# KiCad board Bus_Card.kicad_pcb (continued)
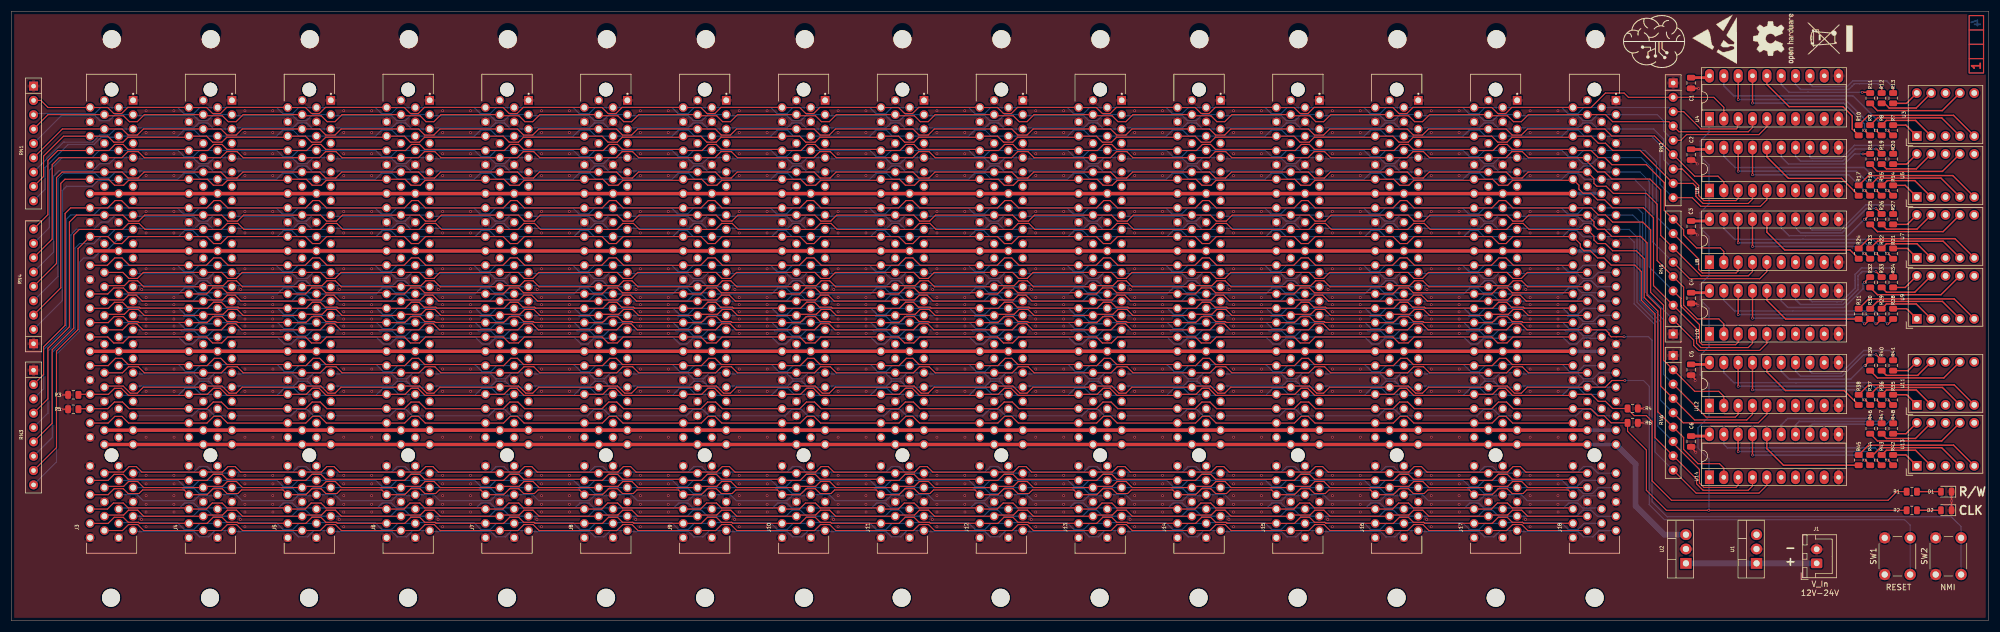
[diagram p0: board, top side]
## Routing (per net, layer and track width the routed paths; a pad name or vN(x,y) marks a point on that pad's centre or on a via; arc(x,y) is an arc through that point) (continued)
/ROM_7: length 275.7
  Top w0.2: J18.B61 268.43,15.97 267.37,17.03 265.75,17.03 264.68,15.97 J17.B61 250.93,15.97 249.86,17.03 248.25,17.03 247.18,15.97 J16.B61 233.43,15.97 232.36,17.03 230.75,17.03 229.68,15.97 J15.B61 215.93,15.97 214.86,17.03 213.25,17.03 212.18,15.97 J14.B61 198.43,15.97 197.36,17.03 195.75,17.03 194.68,15.97 J13.B61 180.93,15.97 179.86,17.03 178.25,17.03 177.18,15.97 J12.B61 163.43,15.97 162.36,17.03 160.75,17.03 159.68,15.97 J11.B61 145.93,15.97 144.86,17.03 143.25,17.03 142.18,15.97 J10.B61 128.43,15.97 127.36,17.03 125.75,17.03 124.68,15.97 J9.B61 110.93,15.97 109.86,17.03 108.25,17.03 107.18,15.97 J8.B61 93.43,15.97 92.36,17.03 90.75,17.03 89.68,15.97 J7.B61 75.93,15.97 74.87,17.03 73.25,17.03 72.18,15.97 J6.B61 58.43,15.97 57.37,17.03 55.75,17.03 54.68,15.97 J5.B61 40.93,15.97 39.87,17.03 38.25,17.03 37.18,15.97 J4.B61 23.43,15.97 22.37,17.03 20.75,17.03 19.68,15.97 J3.B61
/SYNC/VPA: length 278
  Bottom w0.2: J3.A38 19.2,45.36 29.6,45.36 30.85,44.11 32.33,44.11 33.4,45.18 J4.A38 36.7,45.36 47.1,45.36 48.35,44.11 49.83,44.11 50.9,45.18 J5.A38 54.2,45.36 64.6,45.36 65.84,44.11 67.33,44.11 68.4,45.18 J6.A38 71.7,45.36 82.1,45.36 83.34,44.11 84.83,44.11 85.9,45.18 J7.A38 89.2,45.36 99.6,45.36 100.84,44.11 102.33,44.11 103.4,45.18 J8.A38 106.7,45.36 117.1,45.36 118.34,44.11 119.83,44.11 120.9,45.18 J9.A38 124.2,45.36 134.6,45.36 135.84,44.11 137.33,44.11 138.4,45.18 J10.A38 141.7,45.36 152.1,45.36 153.34,44.11 154.83,44.11 155.9,45.18 J11.A38 159.2,45.36 169.6,45.36 170.84,44.11 172.33,44.11 173.4,45.18 J12.A38 176.7,45.36 187.1,45.36 188.34,44.11 189.83,44.11 190.9,45.18 J13.A38 194.2,45.36 204.6,45.36 205.84,44.11 207.33,44.11 208.4,45.18 J14.A38 211.7,45.36 222.1,45.36 223.34,44.11 224.83,44.11 225.9,45.18 J15.A38 229.2,45.36 239.6,45.36 240.84,44.11 242.33,44.11 243.4,45.18 J16.A38 246.7,45.36 257.1,45.36 258.35,44.11 259.83,44.11 260.9,45.18 J17.A38 264.2,45.36 274.6,45.36 275.85,44.11 277.33,44.11 278.4,45.18 J18.A38
/~{BE}: length 277.9
  Bottom w0.2: J3.A42 19.19,39.93 29.54,39.93 30.78,41.16 32.52,41.16 33.59,40.1 J4.A42 36.69,39.93 47.04,39.93 48.28,41.16 50.02,41.16 51.09,40.1 J5.A42 54.19,39.93 64.54,39.93 65.78,41.16 67.53,41.16 68.59,40.1 J6.A42 71.69,39.93 82.04,39.93 83.28,41.16 85.03,41.16 86.09,40.1 J7.A42 89.19,39.93 99.54,39.93 100.78,41.16 102.53,41.16 103.59,40.1 J8.A42 106.69,39.93 117.04,39.93 118.28,41.16 120.03,41.16 121.09,40.1 J9.A42 124.19,39.93 134.54,39.93 135.78,41.16 137.53,41.16 138.59,40.1 J10.A42 141.69,39.93 152.04,39.93 153.28,41.16 155.03,41.16 156.09,40.1 J11.A42 159.19,39.93 169.54,39.93 170.78,41.16 172.53,41.16 173.59,40.1 J12.A42 176.69,39.93 187.04,39.93 188.28,41.16 190.03,41.16 191.09,40.1 J13.A42 194.19,39.93 204.54,39.93 205.78,41.16 207.53,41.16 208.59,40.1 J14.A42 211.69,39.93 222.04,39.93 223.28,41.16 225.03,41.16 226.09,40.1 J15.A42 229.19,39.93 239.54,39.93 240.78,41.16 242.53,41.16 243.59,40.1 J16.A42 246.69,39.93 257.04,39.93 258.28,41.16 260.03,41.16 261.09,40.1 J17.A42 264.19,39.93 274.54,39.93 275.78,41.16 277.53,41.16 278.59,40.1 J18.A42
/~{H_RAM}: length 275.7
  Top w0.2: J3.B25 19.75,61.69 20.81,60.62 22.3,60.62 23.37,61.69 J4.B25 37.25,61.69 38.31,60.62 39.8,60.62 40.87,61.69 J5.B25 54.75,61.69 55.81,60.62 57.3,60.62 58.37,61.69 J6.B25 72.25,61.69 73.31,60.62 74.8,60.62 75.87,61.69 J7.B25 89.75,61.69 90.81,60.62 92.3,60.62 93.37,61.69 J8.B25 107.25,61.69 108.31,60.62 109.8,60.62 110.87,61.69 J9.B25 124.75,61.69 125.81,60.62 127.3,60.62 128.37,61.69 J10.B25 142.25,61.69 143.31,60.62 144.8,60.62 145.87,61.69 J11.B25 159.75,61.69 160.81,60.62 162.3,60.62 163.37,61.69 J12.B25 177.25,61.69 178.31,60.62 179.8,60.62 180.87,61.69 J13.B25 194.75,61.69 195.81,60.62 197.3,60.62 198.37,61.69 J14.B25 212.25,61.69 213.31,60.62 214.8,60.62 215.87,61.69 J15.B25 229.75,61.69 230.81,60.62 232.3,60.62 233.37,61.69 J16.B25 247.25,61.69 248.31,60.62 249.8,60.62 250.87,61.69 J17.B25 264.75,61.69 265.81,60.62 267.3,60.62 268.37,61.69 J18.B25
/~{IO}: length 275.7
  Bottom w0.2: J18.A24 278.27,62.96 277.21,61.89 275.46,61.89 274.4,62.96 J17.A24 260.77,62.96 259.71,61.89 257.96,61.89 256.9,62.96 J16.A24 243.27,62.96 242.21,61.89 240.46,61.89 239.4,62.96 J15.A24 225.77,62.96 224.71,61.89 222.96,61.89 221.9,62.96 J14.A24 208.27,62.96 207.21,61.89 205.46,61.89 204.4,62.96 J13.A24 190.77,62.96 189.71,61.89 187.96,61.89 186.9,62.96 J12.A24 173.27,62.96 172.21,61.89 170.46,61.89 169.4,62.96 J11.A24 155.77,62.96 154.71,61.89 152.96,61.89 151.9,62.96 J10.A24 138.27,62.96 137.21,61.89 135.46,61.89 134.4,62.96 J9.A24 120.77,62.96 119.71,61.89 117.96,61.89 116.9,62.96 J8.A24 103.27,62.96 102.21,61.89 100.46,61.89 99.4,62.96 J7.A24 85.77,62.96 84.71,61.89 82.96,61.89 81.9,62.96 J6.A24 68.27,62.96 67.21,61.89 65.46,61.89 64.4,62.96 J5.A24 50.77,62.96 49.71,61.89 47.96,61.89 46.9,62.96 J4.A24 33.27,62.96 32.21,61.89 30.46,61.89 29.4,62.96 J3.A24
/~{IRQ_0.0}: length 275.7
  Bottom w0.2: J18.A27 280.75,59.15 279.68,60.21 278.32,60.21 277.46,59.35 266.76,59.35 J17.A27 263.25,59.15 262.18,60.21 260.82,60.21 259.96,59.35 249.26,59.35 J16.A27 245.75,59.15 244.68,60.21 243.32,60.21 242.46,59.35 231.76,59.35 J15.A27 228.25,59.15 227.18,60.21 225.82,60.21 224.96,59.35 214.26,59.35 J14.A27 210.75,59.15 209.68,60.21 208.32,60.21 207.46,59.35 196.76,59.35 J13.A27 193.25,59.15 192.18,60.21 190.82,60.21 189.96,59.35 179.26,59.35 J12.A27 175.75,59.15 174.68,60.21 173.32,60.21 172.46,59.35 161.76,59.35 J11.A27 158.25,59.15 157.18,60.21 155.82,60.21 154.96,59.35 144.26,59.35 J10.A27 140.75,59.15 139.68,60.21 138.32,60.21 137.46,59.35 126.76,59.35 J9.A27 123.25,59.15 122.18,60.21 120.82,60.21 119.96,59.35 109.26,59.35 J8.A27 105.75,59.15 104.68,60.21 103.32,60.21 102.46,59.35 91.76,59.35 J7.A27 88.25,59.15 87.18,60.21 85.82,60.21 84.96,59.35 74.26,59.35 J6.A27 70.75,59.15 69.68,60.21 68.32,60.21 67.46,59.35 56.76,59.35 J5.A27 53.25,59.15 52.18,60.21 50.82,60.21 49.96,59.35 39.26,59.35 J4.A27 35.75,59.15 34.68,60.21 33.32,60.21 32.46,59.35 21.76,59.35 J3.A27
/~{IRQ_0.1}: length 275.7
  Bottom w0.2: J3.A28 29.59,57.88 30.65,58.94 32.14,58.94 33,58.08 36.31,58.08 J4.A28 47.09,57.88 48.15,58.94 49.64,58.94 50.5,58.08 53.81,58.08 J5.A28 64.59,57.88 65.65,58.94 67.14,58.94 68,58.08 71.31,58.08 J6.A28 82.09,57.88 83.15,58.94 84.64,58.94 85.5,58.08 88.81,58.08 J7.A28 99.59,57.88 100.65,58.94 102.14,58.94 103,58.08 106.31,58.08 J8.A28 117.09,57.88 118.15,58.94 119.64,58.94 120.5,58.08 123.81,58.08 J9.A28 134.59,57.88 135.65,58.94 137.14,58.94 138,58.08 141.31,58.08 J10.A28 152.09,57.88 153.15,58.94 154.64,58.94 155.5,58.08 158.81,58.08 J11.A28 169.59,57.88 170.65,58.94 172.14,58.94 173,58.08 176.31,58.08 J12.A28 187.09,57.88 188.15,58.94 189.64,58.94 190.5,58.08 193.81,58.08 J13.A28 204.59,57.88 205.65,58.94 207.14,58.94 208,58.08 211.31,58.08 J14.A28 222.09,57.88 223.15,58.94 224.64,58.94 225.5,58.08 228.81,58.08 J15.A28 239.59,57.88 240.65,58.94 242.14,58.94 243,58.08 246.31,58.08 J16.A28 257.09,57.88 258.15,58.94 259.64,58.94 260.5,58.08 263.81,58.08 J17.A28 274.59,57.88 275.65,58.94 277.14,58.94 278,58.08 281.31,58.08 J18.A28
/~{IRQ_0.2}: length 275.7
  Bottom w0.2: J3.A29 32.13,56.61 33.19,57.67 34.81,57.67 35.88,56.61 J4.A29 49.63,56.61 50.69,57.67 52.31,57.67 53.38,56.61 J5.A29 67.13,56.61 68.19,57.67 69.81,57.67 70.88,56.61 J6.A29 84.63,56.61 85.69,57.67 87.31,57.67 88.38,56.61 J7.A29 102.13,56.61 103.19,57.67 104.81,57.67 105.88,56.61 J8.A29 119.63,56.61 120.69,57.67 122.31,57.67 123.38,56.61 J9.A29 137.13,56.61 138.19,57.67 139.81,57.67 140.88,56.61 J10.A29 154.63,56.61 155.69,57.67 157.31,57.67 158.38,56.61 J11.A29 172.13,56.61 173.19,57.67 174.81,57.67 175.88,56.61 J12.A29 189.63,56.61 190.69,57.67 192.31,57.67 193.38,56.61 J13.A29 207.13,56.61 208.19,57.67 209.81,57.67 210.88,56.61 J14.A29 224.63,56.61 225.69,57.67 227.31,57.67 228.38,56.61 J15.A29 242.13,56.61 243.19,57.67 244.81,57.67 245.88,56.61 J16.A29 259.63,56.61 260.69,57.67 262.31,57.67 263.38,56.61 J17.A29 277.13,56.61 278.19,57.67 279.81,57.67 280.88,56.61 J18.A29
/~{IRQ_0.3}: length 275.7
  Bottom w0.2: J18.A30 278.4,55.34 277.33,54.27 275.72,54.27 274.65,55.34 J17.A30 260.9,55.34 259.83,54.27 258.22,54.27 257.15,55.34 J16.A30 243.4,55.34 242.33,54.27 240.72,54.27 239.65,55.34 J15.A30 225.9,55.34 224.83,54.27 223.22,54.27 222.15,55.34 J14.A30 208.4,55.34 207.33,54.27 205.72,54.27 204.65,55.34 J13.A30 190.9,55.34 189.83,54.27 188.22,54.27 187.15,55.34 J12.A30 173.4,55.34 172.33,54.27 170.72,54.27 169.65,55.34 J11.A30 155.9,55.34 154.83,54.27 153.22,54.27 152.15,55.34 J10.A30 138.4,55.34 137.33,54.27 135.72,54.27 134.65,55.34 J9.A30 120.9,55.34 119.83,54.27 118.22,54.27 117.15,55.34 J8.A30 103.4,55.34 102.33,54.27 100.72,54.27 99.65,55.34 J7.A30 85.9,55.34 84.83,54.27 83.22,54.27 82.15,55.34 J6.A30 68.4,55.34 67.33,54.27 65.72,54.27 64.65,55.34 J5.A30 50.9,55.34 49.83,54.27 48.22,54.27 47.15,55.34 J4.A30 33.4,55.34 32.33,54.27 30.72,54.27 29.65,55.34 J3.A30
/~{IRQ_0.4}: length 275.7
  Bottom w0.2: J3.A31 21.58,54.05 30.38,54.05 30.55,53.87 32.39,53.87 33.26,53 35,53 36.07,54.07 J4.A31 39.08,54.05 47.88,54.05 48.05,53.87 49.89,53.87 50.76,53 52.5,53 53.57,54.07 J5.A31 56.58,54.05 65.38,54.05 65.55,53.87 67.39,53.87 68.26,53 70,53 71.07,54.07 J6.A31 74.08,54.05 82.88,54.05 83.05,53.87 84.89,53.87 85.76,53 87.5,53 88.57,54.07 J7.A31 91.58,54.05 100.38,54.05 100.55,53.87 102.39,53.87 103.26,53 105,53 106.07,54.07 J8.A31 109.08,54.05 117.88,54.05 118.05,53.87 119.89,53.87 120.76,53 122.5,53 123.57,54.07 J9.A31 126.58,54.05 135.38,54.05 135.55,53.87 137.39,53.87 138.26,53 140,53 141.07,54.07 J10.A31 144.08,54.05 152.88,54.05 153.05,53.87 154.89,53.87 155.76,53 157.5,53 158.57,54.07 J11.A31 161.58,54.05 170.38,54.05 170.55,53.87 172.39,53.87 173.26,53 175,53 176.07,54.07 J12.A31 179.08,54.05 187.88,54.05 188.05,53.87 189.89,53.87 190.76,53 192.5,53 193.57,54.07 J13.A31 196.58,54.05 205.38,54.05 205.55,53.87 207.39,53.87 208.26,53 210,53 211.07,54.07 J14.A31 214.08,54.05 222.88,54.05 223.05,53.87 224.89,53.87 225.76,53 227.5,53 228.57,54.07 J15.A31 231.58,54.05 240.38,54.05 240.55,53.87 242.39,53.87 243.26,53 245,53 246.07,54.07 J16.A31 249.08,54.05 257.88,54.05 258.05,53.87 259.89,53.87 260.76,53 262.5,53 263.57,54.07 J17.A31 266.58,54.05 275.38,54.05 275.55,53.87 277.39,53.87 278.26,53 280,53 281.07,54.07 J18.A31
/~{IRQ_0.5}: length 275.7
  Bottom w0.2: J18.A32 281.31,52.59 278.19,52.59 277.33,51.73 275.72,51.73 274.65,52.8 J17.A32 263.81,52.59 260.69,52.59 259.83,51.73 258.22,51.73 257.15,52.8 J16.A32 246.31,52.59 243.19,52.59 242.33,51.73 240.72,51.73 239.65,52.8 J15.A32 228.81,52.59 225.69,52.59 224.83,51.73 223.22,51.73 222.15,52.8 J14.A32 211.31,52.59 208.19,52.59 207.33,51.73 205.72,51.73 204.65,52.8 J13.A32 193.81,52.59 190.69,52.59 189.83,51.73 188.22,51.73 187.15,52.8 J12.A32 176.31,52.59 173.19,52.59 172.33,51.73 170.72,51.73 169.65,52.8 J11.A32 158.81,52.59 155.69,52.59 154.83,51.73 153.22,51.73 152.15,52.8 J10.A32 141.31,52.59 138.19,52.59 137.33,51.73 135.72,51.73 134.65,52.8 J9.A32 123.81,52.59 120.69,52.59 119.83,51.73 118.22,51.73 117.15,52.8 J8.A32 106.31,52.59 103.19,52.59 102.33,51.73 100.72,51.73 99.65,52.8 J7.A32 88.81,52.59 85.69,52.59 84.83,51.73 83.22,51.73 82.15,52.8 J6.A32 71.31,52.59 68.19,52.59 67.33,51.73 65.72,51.73 64.65,52.8 J5.A32 53.81,52.59 50.69,52.59 49.83,51.73 48.22,51.73 47.15,52.8 J4.A32 36.31,52.59 33.19,52.59 32.33,51.73 30.72,51.73 29.65,52.8 J3.A32
/~{IRQ_0.6}: length 275.7
  Bottom w0.2: J18.A33 280.88,51.53 279.81,50.46 278.26,50.46 277.4,51.32 275.16,51.32 274.97,51.51 266.58,51.51 J17.A33 263.38,51.53 262.31,50.46 260.76,50.46 259.9,51.32 257.66,51.32 257.47,51.51 249.08,51.51 J16.A33 245.88,51.53 244.81,50.46 243.26,50.46 242.4,51.32 240.16,51.32 239.97,51.51 231.58,51.51 J15.A33 228.38,51.53 227.31,50.46 225.76,50.46 224.9,51.32 222.66,51.32 222.47,51.51 214.08,51.51 J14.A33 210.88,51.53 209.81,50.46 208.26,50.46 207.4,51.32 205.16,51.32 204.97,51.51 196.58,51.51 J13.A33 193.38,51.53 192.31,50.46 190.76,50.46 189.9,51.32 187.66,51.32 187.47,51.51 179.08,51.51 J12.A33 175.88,51.53 174.81,50.46 173.26,50.46 172.4,51.32 170.16,51.32 169.97,51.51 161.58,51.51 J11.A33 158.38,51.53 157.31,50.46 155.76,50.46 154.9,51.32 152.66,51.32 152.47,51.51 144.08,51.51 J10.A33 140.88,51.53 139.81,50.46 138.26,50.46 137.4,51.32 135.16,51.32 134.97,51.51 126.58,51.51 J9.A33 123.38,51.53 122.31,50.46 120.76,50.46 119.9,51.32 117.66,51.32 117.47,51.51 109.08,51.51 J8.A33 105.88,51.53 104.81,50.46 103.26,50.46 102.4,51.32 100.16,51.32 99.97,51.51 91.58,51.51 J7.A33 88.38,51.53 87.31,50.46 85.76,50.46 84.9,51.32 82.66,51.32 82.47,51.51 74.08,51.51 J6.A33 70.88,51.53 69.81,50.46 68.26,50.46 67.4,51.32 65.16,51.32 64.97,51.51 56.58,51.51 J5.A33 53.38,51.53 52.31,50.46 50.76,50.46 49.9,51.32 47.66,51.32 47.47,51.51 39.08,51.51 J4.A33 35.88,51.53 34.81,50.46 33.26,50.46 32.4,51.32 30.16,51.32 29.97,51.51 21.58,51.51 J3.A33
/~{IRQ_0.7}: length 278.1
  Bottom w0.2: J18.A34 281.3,50.04 279.44,50.04 279.42,50.05 278.13,50.05 277.1,49.02 275.83,49.02 274.59,50.26 J17.A34 263.8,50.04 261.94,50.04 261.92,50.05 260.63,50.05 259.6,49.02 258.33,49.02 257.09,50.26 J16.A34 246.3,50.04 244.44,50.04 244.42,50.05 243.13,50.05 242.1,49.02 240.83,49.02 239.59,50.26 J15.A34 228.8,50.04 226.94,50.04 226.92,50.05 225.63,50.05 224.6,49.02 223.33,49.02 222.09,50.26 J14.A34 211.3,50.04 209.44,50.04 209.42,50.05 208.13,50.05 207.1,49.02 205.83,49.02 204.59,50.26 J13.A34 193.8,50.04 191.94,50.04 191.92,50.05 190.63,50.05 189.6,49.02 188.33,49.02 187.09,50.26 J12.A34 176.3,50.04 174.44,50.04 174.42,50.05 173.13,50.05 172.1,49.02 170.83,49.02 169.59,50.26 J11.A34 158.8,50.04 156.94,50.04 156.92,50.05 155.63,50.05 154.6,49.02 153.33,49.02 152.09,50.26 J10.A34 141.3,50.04 139.44,50.04 139.42,50.05 138.13,50.05 137.1,49.02 135.83,49.02 134.59,50.26 J9.A34 123.8,50.04 121.94,50.04 121.92,50.05 120.63,50.05 119.6,49.02 118.33,49.02 117.09,50.26 J8.A34 106.3,50.04 104.44,50.04 104.42,50.05 103.13,50.05 102.1,49.02 100.83,49.02 99.59,50.26 J7.A34 88.8,50.04 86.94,50.04 86.92,50.05 85.63,50.05 84.6,49.02 83.33,49.02 82.09,50.26 J6.A34 71.3,50.04 69.44,50.04 69.42,50.05 68.13,50.05 67.1,49.02 65.83,49.02 64.59,50.26 J5.A34 53.8,50.04 51.94,50.04 51.92,50.05 50.63,50.05 49.6,49.02 48.33,49.02 47.09,50.26 J4.A34 36.3,50.04 34.44,50.04 34.42,50.05 33.13,50.05 32.1,49.02 30.83,49.02 29.59,50.26 J3.A34
/~{IRQ_0}: length 280.1
  Top w0.2: J14.B28 209.58,57.88 210.64,58.94 212.32,58.94 213.19,58.08 223.73,58.08 ; J14.B28 206.23,58.08 ; J14.B28 206.23,58.08 ; 206.23,58.08 195.69,58.08 194.82,58.94 193.14,58.94 192.08,57.88 J13.B28 ; 241.23,58.08 J16.B28 ; 241.23,58.08 J16.B28 ; 241.23,58.08 230.68,58.08 229.83,58.94 228.15,58.94 227.08,57.88 J15.B28 ; J16.B28 244.58,57.88 245.65,58.94 247.33,58.94 248.18,58.08 258.73,58.08 ; 83.73,58.08 J7.B28 ; 83.73,58.08 73.19,58.08 72.32,58.94 70.65,58.94 69.58,57.88 J6.B28 ; 83.73,58.08 J7.B28 ; J7.B28 87.08,57.88 88.14,58.94 89.82,58.94 90.69,58.08 101.23,58.08 ; 171.23,58.08 160.69,58.08 159.82,58.94 158.14,58.94 157.08,57.88 J11.B28 ; 171.23,58.08 J12.B28 ; 171.23,58.08 J12.B28 ; 136.23,58.08 125.69,58.08 124.82,58.94 123.14,58.94 122.08,57.88 J9.B28 ; 136.23,58.08 J10.B28 ; 136.23,58.08 J10.B28 ; 48.73,58.08 J5.B28 ; 48.73,58.08 J5.B28 ; 48.73,58.08 38.18,58.08 37.32,58.94 35.65,58.94 34.58,57.88 J4.B28 ; J5.B28 52.08,57.88 53.15,58.94 54.82,58.94 55.68,58.08 66.23,58.08 ; 223.73,58.08 J15.B28 ; 223.73,58.08 J15.B28 ; J12.B28 174.58,57.88 175.64,58.94 177.32,58.94 178.19,58.08 188.73,58.08 ; 31.23,58.08 J4.B28 ; 31.23,58.08 20.69,58.08 19.83,58.94 18.15,58.94 17.08,57.88 J3.B28 13.73,58.08 ; 31.23,58.08 J4.B28 ; 153.73,58.08 J11.B28 ; 153.73,58.08 J11.B28 ; 153.73,58.08 143.19,58.08 142.32,58.94 140.64,58.94 139.58,57.88 J10.B28 ; 258.73,58.08 J17.B28 ; 258.73,58.08 J17.B28 ; J17.B28 262.08,57.88 263.15,58.94 264.83,58.94 265.69,58.08 276.23,58.08 J18.B28 ; 66.23,58.08 J6.B28 ; 66.23,58.08 J6.B28 ; 101.23,58.08 J8.B28 ; 101.23,58.08 J8.B28 ; J8.B28 104.58,57.88 105.64,58.94 107.32,58.94 108.19,58.08 118.73,58.08 ; 188.73,58.08 J13.B28 ; 188.73,58.08 J13.B28 ; 118.73,58.08 J9.B28 ; 118.73,58.08 J9.B28
/~{IRQ_1}: length 275.7
  Top w0.2: J18.B29 268.18,56.61 267.11,57.67 265.75,57.67 264.89,56.81 261.68,56.81 J17.B29 250.68,56.61 249.61,57.67 248.25,57.67 247.39,56.81 244.18,56.81 J16.B29 233.18,56.61 232.11,57.67 230.75,57.67 229.89,56.81 226.68,56.81 J15.B29 215.68,56.61 214.61,57.67 213.25,57.67 212.39,56.81 209.18,56.81 J14.B29 198.18,56.61 197.11,57.67 195.75,57.67 194.89,56.81 191.68,56.81 J13.B29 180.68,56.61 179.61,57.67 178.25,57.67 177.39,56.81 174.18,56.81 J12.B29 163.18,56.61 162.11,57.67 160.75,57.67 159.89,56.81 156.68,56.81 J11.B29 145.68,56.61 144.61,57.67 143.25,57.67 142.39,56.81 139.18,56.81 J10.B29 128.18,56.61 127.11,57.67 125.75,57.67 124.89,56.81 121.68,56.81 J9.B29 110.68,56.61 109.61,57.67 108.25,57.67 107.39,56.81 104.18,56.81 J8.B29 93.18,56.61 92.11,57.67 90.75,57.67 89.89,56.81 86.68,56.81 J7.B29 75.68,56.61 74.61,57.67 73.25,57.67 72.39,56.81 69.18,56.81 J6.B29 58.18,56.61 57.11,57.67 55.75,57.67 54.89,56.81 51.68,56.81 J5.B29 40.68,56.61 39.61,57.67 38.25,57.67 37.39,56.81 34.18,56.81 J4.B29 23.18,56.61 22.11,57.67 20.75,57.67 19.89,56.81 16.68,56.81 J3.B29
/~{IRQ_2}: length 280.3
  Top w0.2: 83.73,55.54 J7.B30 87.21,55.34 88.27,56.4 89.7,56.4 90.64,55.46 90.71,55.53 92.66,55.53 92.82,55.37 101.41,55.37 ; 258.73,55.54 J17.B30 262.21,55.34 263.27,56.4 264.7,56.4 265.64,55.46 265.71,55.53 267.66,55.53 267.82,55.37 276.41,55.37 J18.B30 ; 13.73,55.54 J3.B30 17.21,55.34 18.27,56.4 19.7,56.4 20.64,55.46 20.71,55.53 22.66,55.53 22.82,55.37 31.41,55.37 ; 223.73,55.54 J15.B30 227.21,55.34 228.27,56.4 229.7,56.4 230.64,55.46 230.71,55.53 232.66,55.53 232.82,55.37 241.41,55.37 ; 153.91,55.37 145.32,55.37 145.16,55.53 143.21,55.53 143.14,55.46 142.2,56.4 140.77,56.4 139.71,55.34 J10.B30 136.23,55.54 ; 48.91,55.37 40.32,55.37 40.16,55.53 38.21,55.53 38.14,55.46 37.2,56.4 35.77,56.4 34.71,55.34 J4.B30 31.23,55.54 ; 136.41,55.37 127.82,55.37 127.66,55.53 125.71,55.53 125.64,55.46 124.7,56.4 123.27,56.4 122.21,55.34 J9.B30 118.73,55.54 ; 48.73,55.54 J5.B30 52.21,55.34 53.27,56.4 54.7,56.4 55.64,55.46 55.71,55.53 57.66,55.53 57.82,55.37 66.41,55.37 ; 101.23,55.54 J8.B30 104.71,55.34 105.77,56.4 107.2,56.4 108.14,55.46 108.21,55.53 110.16,55.53 110.32,55.37 118.91,55.37 ; 171.41,55.37 162.82,55.37 162.66,55.53 160.71,55.53 160.64,55.46 159.7,56.4 158.27,56.4 157.21,55.34 J11.B30 153.73,55.54 ; 241.23,55.54 J16.B30 244.71,55.34 245.77,56.4 247.2,56.4 248.14,55.46 248.21,55.53 250.16,55.53 250.32,55.37 258.91,55.37 ; 206.41,55.37 197.82,55.37 197.66,55.53 195.71,55.53 195.64,55.46 194.7,56.4 193.27,56.4 192.21,55.34 J13.B30 188.73,55.54 ; 83.91,55.37 75.32,55.37 75.16,55.53 73.21,55.53 73.14,55.46 72.2,56.4 70.77,56.4 69.71,55.34 J6.B30 66.23,55.54 ; 223.91,55.37 215.32,55.37 215.16,55.53 213.21,55.53 213.14,55.46 212.2,56.4 210.77,56.4 209.71,55.34 J14.B30 206.23,55.54 ; 188.91,55.37 180.32,55.37 180.16,55.53 178.21,55.53 178.14,55.46 177.2,56.4 175.77,56.4 174.71,55.34 J12.B30 171.23,55.54
/~{IRQ_3}: length 275.7
  Top w0.2: J18.B31 268.56,54.07 267.49,55.13 265.88,55.13 265.02,54.27 261.68,54.27 J17.B31 251.06,54.07 249.99,55.13 248.37,55.13 247.52,54.27 244.18,54.27 J16.B31 233.56,54.07 232.49,55.13 230.87,55.13 230.02,54.27 226.68,54.27 J15.B31 216.06,54.07 214.99,55.13 213.38,55.13 212.51,54.27 209.18,54.27 J14.B31 198.56,54.07 197.49,55.13 195.88,55.13 195.01,54.27 191.68,54.27 J13.B31 181.06,54.07 179.99,55.13 178.38,55.13 177.51,54.27 174.18,54.27 J12.B31 163.56,54.07 162.49,55.13 160.88,55.13 160.01,54.27 156.68,54.27 J11.B31 146.06,54.07 144.99,55.13 143.38,55.13 142.51,54.27 139.18,54.27 J10.B31 128.56,54.07 127.49,55.13 125.88,55.13 125.01,54.27 121.68,54.27 J9.B31 111.06,54.07 109.99,55.13 108.38,55.13 107.51,54.27 104.18,54.27 J8.B31 93.56,54.07 92.49,55.13 90.88,55.13 90.01,54.27 86.68,54.27 J7.B31 76.06,54.07 74.99,55.13 73.38,55.13 72.51,54.27 69.18,54.27 J6.B31 58.56,54.07 57.49,55.13 55.88,55.13 55.01,54.27 51.68,54.27 J5.B31 41.06,54.07 39.99,55.13 38.38,55.13 37.51,54.27 34.18,54.27 J4.B31 23.56,54.07 22.49,55.13 20.88,55.13 20.02,54.27 16.68,54.27 J3.B31
/~{IRQ_4}: length 279.4
  Top w0.2: 48.91,52.83 40.07,52.83 39.9,52.99 38.2,52.99 37.32,53.86 35.71,53.86 34.64,52.8 J4.B32 31.23,53 ; 136.23,53 J10.B32 139.64,52.8 140.71,53.86 142.32,53.86 143.19,52.99 144.9,52.99 145.07,52.83 153.91,52.83 ; 66.41,52.83 57.57,52.83 57.4,52.99 55.7,52.99 54.82,53.86 53.21,53.86 52.14,52.8 J5.B32 48.73,53 ; 66.23,53 J6.B32 69.64,52.8 70.71,53.86 72.32,53.86 73.19,52.99 74.9,52.99 75.07,52.83 83.91,52.83 ; 136.41,52.83 127.57,52.83 127.4,52.99 125.69,52.99 124.82,53.86 123.21,53.86 122.14,52.8 J9.B32 118.73,53 ; 223.91,52.83 215.07,52.83 214.9,52.99 213.19,52.99 212.32,53.86 210.71,53.86 209.64,52.8 J14.B32 206.23,53 ; 188.91,52.83 180.07,52.83 179.9,52.99 178.19,52.99 177.32,53.86 175.71,53.86 174.64,52.8 J12.B32 171.23,53 ; 101.23,53 J8.B32 104.64,52.8 105.71,53.86 107.32,53.86 108.19,52.99 109.9,52.99 110.07,52.83 118.91,52.83 ; 241.23,53 J16.B32 244.64,52.8 245.71,53.86 247.33,53.86 248.19,52.99 249.9,52.99 250.07,52.83 258.91,52.83 ; 153.73,53 J11.B32 157.14,52.8 158.21,53.86 159.82,53.86 160.69,52.99 162.4,52.99 162.57,52.83 171.41,52.83 ; 13.73,53 J3.B32 17.14,52.8 18.21,53.86 19.83,53.86 20.7,52.99 22.4,52.99 22.57,52.83 31.41,52.83 ; 258.73,53 J17.B32 262.14,52.8 263.21,53.86 264.83,53.86 265.69,52.99 267.4,52.99 267.57,52.83 276.41,52.83 J18.B32 ; 101.41,52.83 92.57,52.83 92.4,52.99 90.69,52.99 89.82,53.86 88.21,53.86 87.14,52.8 J7.B32 83.73,53 ; 206.41,52.83 197.57,52.83 197.4,52.99 195.69,52.99 194.82,53.86 193.21,53.86 192.14,52.8 J13.B32 188.73,53 ; 223.73,53 J15.B32 227.14,52.8 228.21,53.86 229.83,53.86 230.69,52.99 232.4,52.99 232.57,52.83 241.41,52.83